# Altium PCB high-spped-thermocouple-logger-2ch.PcbDoc (part 2 of 3) (continued)
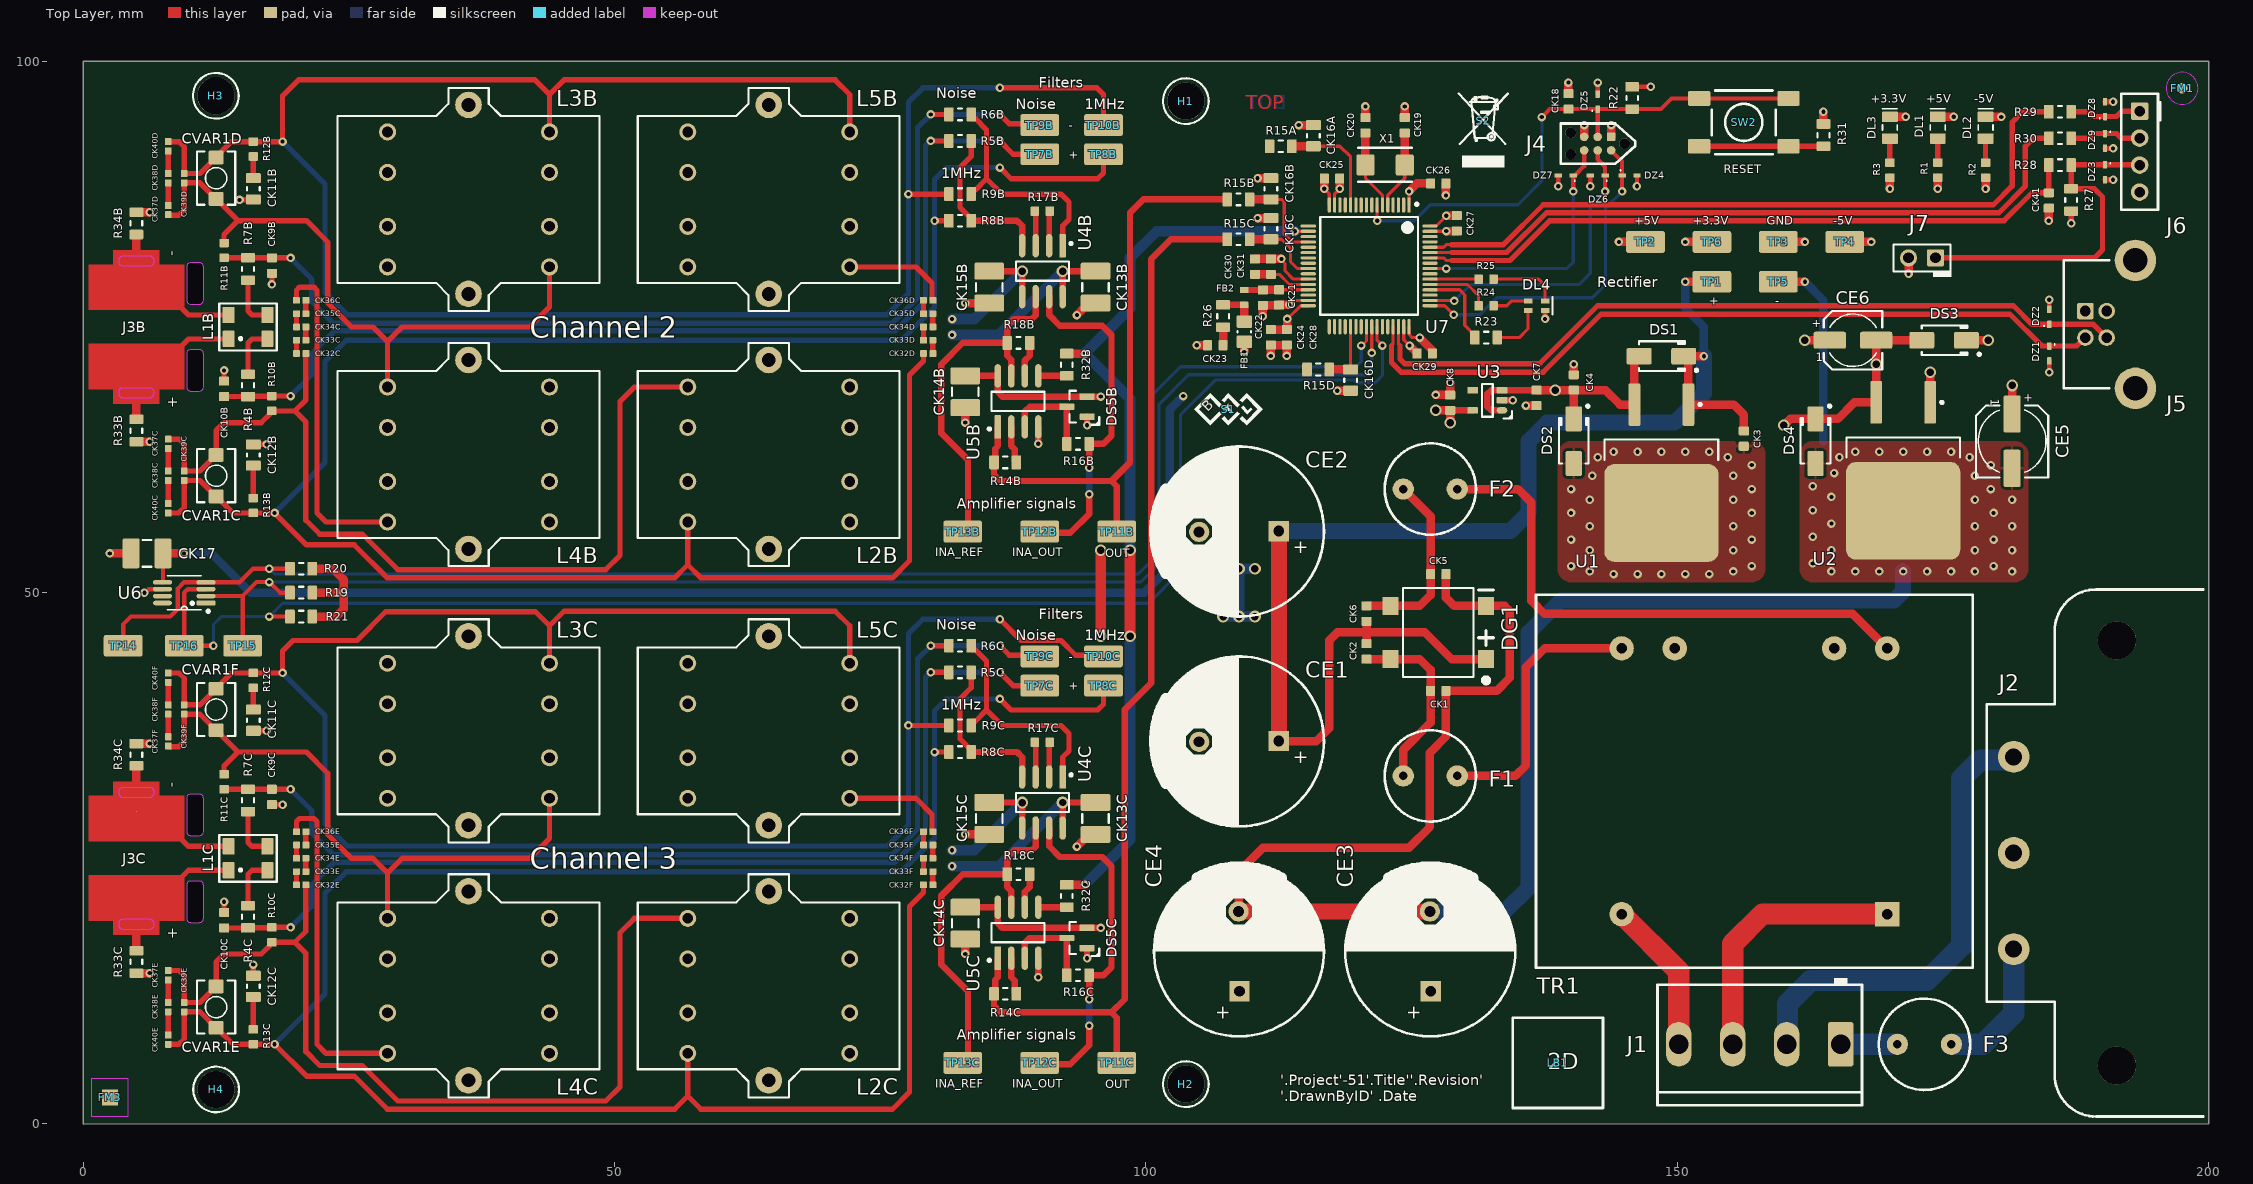
[diagram p0: Top Layer view]
## Nets (pads, with @x,y where several pads share a name; then routed paths per layer and width w, separated by ;. In a path a pad name is that pad's centre, name@x,y a point inside that pad or via, vN(x,y) a via of type N, cw(c..) or ccw(c..) an arc to the next point about the centre after c; other vN are vias at no path point) (continued)
  Top Layer w0.5: CK10C.2@13.25,19.9 v1(13.25,20.91) ; CK10B.2@13.25,69.9 v1(13.25,70.91) ; v1(14.7,86.95) 14.725,86.975 15.975,86.975 CK11B.1@16,87 ; CK12C.1@16,13.95 v1(16,15) ; CK11C.1@16,37 v1(17.25,37) ; CK12B.1@16,63.95 v1(17.25,63.95) ; CK9C.2@17.75,30.05 v1(18.75,30.05) ; v1(17.75,79) CK9B.2@17.75,80.05 ; DZ8.2@190.25,96.2 v1(191,96.2) ; DZ3.2@190.25,88.85 v1(191,88.85) ; DZ9.2@190.25,91.8 v1(191,91.8)
  Top Layer w0.6: v1(89.865,13.805) U5C.4@89.865,15.6 ; v1(89.865,64) U5B.4@89.865,65.6 ; v1(94.45,15.6) DS5C.1@94.45,16.55 ; v1(94.45,65.75) DS5B.1@94.45,66.55 ; U3.2@133.5,68.1 v1(134.5,68.1)
  Top Layer w0.8: v1(2.5,53.686) 2.506,53.692 CK17.2@4.5,53.692 ; v1(83,16) CK14C.2@83,17.4 ; v1(83,27.25) CK15C.2@85.25,27.25 ; v1(83,66) CK14B.2@83,67.4 ; v1(83,77.25) CK15B.2@85.25,77.25 ; v1(93.5,26.101) 93.501,26.101 94.65,27.25 CK13C.2@95.25,27.25 ; v1(93.5,76.125) 94.225,76.85 94.85,76.85 CK13B.2@95.25,77.25 ; v1(104.775,73.275) CK23.2@105.8,73.275 ; CK30.1@110.25,81.401 CK31.2@111.75,81.401 v1(112.75,81.401) ; v1(110.5,85.25) CK16C.2@111.75,85.25 ; v1(110.5,89) CK16B.2@111.75,89 ; v1(111,76) CK22.2@111,77.025 112.45,77.025 112.475,77.05 CK21.1@112.525,77.05 112.55,77.075 v1(113.5,77.075) ; v1(111.75,72.275) CK24.1@111.75,73.3 CK28.1@113.25,73.3 v1(113.25,72.275) ; v1(114.375,94) CK16A.2@115.75,94 ; v1(118,69) CK16D.2@119.25,69 ; v1(118.225,88) CK25.1@118.225,88.976 ; CK20.2@120.65,94.7 v1(120.65,95.75) ; CK19.2@124.35,94.7 v1(124.35,95.75) ; v1(124.8,73.25) 125.5,72.55 CK29.1@125.5,72.5 ; v1(127.275,68.6) CK8.2@128.625,68.6 v1(128.625,69.75) ; v1(128.225,87.376) CK26.1@128.225,88.5 ; v1(128.25,84.025) CK27.1@129.25,84.025 ; v1(135.75,67.6) CK7.2@136.75,67.6 ; CK18.1@139.75,96.95 v1(139.75,98) ; CK4.2@140.25,70.5 v1(140.25,71.5) ; J4.5@141.23,92.885 v1(141.23,94) ; TP3.1@159.5,83 v1(162,83) ; v2(162,73.75) CE6.1@164.341,73.75 ; R31.2@163.75,94.1 v1(163.75,95.25) ; DL3.1@170,94.775 v1(171.5,94.775) ; v1(171.75,80) J7.2@171.75,81.5 ; U2.1@173.79,67.9 v2(173.79,70.75) ; DL1.1@174.5,94.775 v1(176,94.775) ; DS3.1@177.2,73.75 v2(179.25,73.75) ; v1(179,88) R2.2@179,89.054 ; CE5.1@181.5,66.8 v2(181.5,69.5) ; v1(184.95,85) CK41.2@184.95,86.175
  other v1: 144,51.75 146.25,51.75 148.5,51.75 150.75,51.75 153,51.75 141.75,52 155.25,52 140,52.5 157,52.5 141.75,54 155.25,54 140,55 157,55 141.75,56.25 155.25,56.25 140,57.5 157,57.5 141.75,58.75 155.25,58.75 140,59.75 157,59.75 142,61 155.25,61 157,62 142.5,62.75 154.75,62.75 144,63.25 146.25,63.25 148.5,63.25 150.75,63.25 153,63.25
INAMP_OFFSET: R32B.2 R32C.2 U7.18 | length 85.5
  Top Layer w0.3: v1(114,84) U7.18@115.275,84
  Top Layer w0.8: R32C.2@92.55,22.5 v1(94.25,22.5) ; R32B.2@92.55,72.5 v1(94.25,72.5)
  Top Layer w1: v2(98.5,45.9) v2(98.5,53.975)
  Bottom Layer w1: v1(94.25,22.5) 98.5,26.75 v2(98.5,45.9) ; v2(98.5,53.975) 98.5,68.25 v1(94.25,72.5) 98.5,76.75 98.5,81.5 101,84 v1(114,84)
INAMP_OUTA: 
INAMP_OUTB: R16B.2 TP12B.1 U4B.7 | length 32.3
  Top Layer w0.6: TP12B.1@90,55.75 90.126,55.624 92.874,55.624 94.65,57.4 v1(94.65,59.25) ; U4B.7@90.885,77.85 90.885,76.125 91.885,75.125 95.875,75.125 96.75,74.25 96.75,64.75 96,64 R16B.2@94.65,64 v1(94.65,61.75)
  Bottom Layer w0.6: v1(94.65,59.25) v1(94.65,61.75)
INAMP_OUTC: R16C.2 TP12C.1 U4C.7 | length 32.3
  Top Layer w0.6: TP12C.1@90,5.75 90.126,5.624 92.874,5.624 94.65,7.4 v1(94.65,9.25) ; U4C.7@90.885,27.85 90.885,26.125 91.885,25.125 95.875,25.125 96.75,24.25 96.75,14.75 96,14 R16C.2@94.65,14 v1(94.65,11.75)
  Bottom Layer w0.6: v1(94.65,9.25) v1(94.65,11.75)
INAMP_OUTD: 
INAMP_REFA: 
INAMP_REFB: R18B.1 TP13B.1 U4B.6 U5B.7 | length 34
  Top Layer w0.6: TP13B.1@82.75,55.75 83.25,55.75 83.25,62.5 80.75,65 80.75,71.5 82.75,73.5 R18B.1@86.95,73.5 ; U5B.7@87.325,70.4 87.325,71.925 86.95,72.3 R18B.1@86.95,73.5 ; U4B.6@89.615,77.85 89.615,76.101 89.264,75.75 87.575,75.75 86.95,75.125 R18B.1@86.95,73.5
INAMP_REFC: R18C.1 TP13C.1 U4C.6 U5C.7 | length 34
  Top Layer w0.6: TP13C.1@82.75,5.75 83.25,5.75 83.25,12.5 80.75,15 80.75,21.5 82.75,23.5 R18C.1@86.95,23.5 ; U5C.7@87.325,20.4 87.325,21.925 86.95,22.3 R18C.1@86.95,23.5 ; U4C.6@89.615,27.85 89.615,26.101 89.264,25.75 87.575,25.75 86.95,25.125 R18C.1@86.95,23.5
INAMP_REFD: 
IND_LED_B: R25.1 U7.54 | length 4.6
  Top Layer w0.3: U7.54@126.725,79.5 R25.1@131.3,79.5
IND_LED_G: R24.1 U7.53 | length 6
  Top Layer w0.3: U7.53@126.725,79 130.25,79 131.3,77.95 R24.1@131.3,77
IND_LED_R: R23.2 U7.52 | length 7.9
  Top Layer w0.3: U7.52@126.725,78.5 129.506,78.5 130,78.006 130,75.15 130.95,74.2 R23.2@130.95,74
NetCK11A_2: 
NetCK11B_2: CK11B.2 R12B.1 | length 2
  Top Layer w0.5: CK11B.2@16,89 R12B.1@16,91.04
NetCK11C_2: CK11C.2 R12C.1 | length 2
  Top Layer w0.5: CK11C.2@16,39 R12C.1@16,41.04
NetCK11D_2: 
NetCK12A_2: 
NetCK12B_2: CK12B.2 R13B.1 | length 3
  Top Layer w0.5: R13B.1@16,58.9 CK12B.2@16,61.95
NetCK12C_2: CK12C.2 R13C.1 | length 3
  Top Layer w0.5: R13C.1@16,8.9 CK12C.2@16,11.95
NetCK12D_2: 
NetCK23_1: CK23.1 R26.1 | length 1.7
  Top Layer w0.8: CK23.1@107.25,73.275 R26.1@107.25,74.975
NetCK30_2: CK30.2 CK31.1 U7.28 | length 5.4
  Top Layer w0.3: CK31.1@111.75,79.951 112.549,79.951 113.5,79 U7.28@115.275,79
  Top Layer w0.8: CK30.2@110.25,79.951 CK31.1@111.75,79.951
NetCK32A_1: 
NetCK32A_2: 
NetCK32B_2: 
NetCK32C_1: CK32C.1 CK37C.1 CK39C.1 CVAR1C.1 L2B.1 R10B.2 | length 88.4
  Top Layer w0.5: CK37C.1@8,64.44 9.01,64.44 9.5,63.95 CK39C.1@9.5,61.44 10.99,61.44 CVAR1C.1@12.5,62.95 12.5,65.25 13.25,66 16.75,66 17.75,67 R10B.2@17.75,67.1 19.9,67.1 ; CK32C.1@20.94,72.5 20.94,68.14 19.9,67.1 ; L2B.1@56.88,69.35 51.85,69.35 50.5,68 50.5,53.5 49.162,52.162 29.588,52.162 26.25,55.5 22.25,55.5 20.94,56.81 20.94,66.06 20,67 19.9,67.1
NetCK32C_2: CK32C.2 CK33C.1 | length 1.3
  Top Layer w0.5: CK32C.2@20.06,72.5 CK33C.1@20.06,73.75
NetCK32D_2: CK32D.2 CK33D.1 | length 1.3
  Top Layer w0.5: CK32D.2@79.94,72.5 CK33D.1@79.94,73.75
NetCK32E_1: CK32E.1 CK37E.1 CK39E.1 CVAR1E.1 L2C.1 R10C.2 | length 88.4
  Top Layer w0.5: CK37E.1@8,14.44 9.01,14.44 9.5,13.95 CK39E.1@9.5,11.44 10.99,11.44 CVAR1E.1@12.5,12.95 12.5,15.25 13.25,16 16.75,16 17.75,17 R10C.2@17.75,17.1 19.9,17.1 ; CK32E.1@20.94,22.5 20.94,18.14 19.9,17.1 ; L2C.1@56.88,19.35 51.85,19.35 50.5,18 50.5,3.5 49.162,2.162 29.588,2.162 26.25,5.5 22.25,5.5 20.94,6.81 20.94,16.06 20,17 19.9,17.1
NetCK32E_2: CK32E.2 CK33E.1 | length 1.3
  Top Layer w0.5: CK32E.2@20.06,22.5 CK33E.1@20.06,23.75
NetCK32F_2: CK32F.2 CK33F.1 | length 1.3
  Top Layer w0.5: CK32F.2@79.94,22.5 CK33F.1@79.94,23.75
NetCK32G_1: 
NetCK32G_2: 
NetCK32H_2: 
NetCK33A_2: 
NetCK33B_2: 
NetCK33C_2: CK33C.2 CK34C.1 | length 1.3
  Top Layer w0.5: CK33C.2@20.94,73.75 CK34C.1@20.94,75
NetCK33D_2: CK33D.2 CK34D.1 | length 1.3
  Top Layer w0.5: CK33D.2@79.06,73.75 CK34D.1@79.06,75
NetCK33E_2: CK33E.2 CK34E.1 | length 1.3
  Top Layer w0.5: CK33E.2@20.94,23.75 CK34E.1@20.94,25
NetCK33F_2: CK33F.2 CK34F.1 | length 1.3
  Top Layer w0.5: CK33F.2@79.06,23.75 CK34F.1@79.06,25
NetCK33G_2: 
NetCK33H_2: 
NetCK34A_2: 
NetCK34B_2: 
NetCK34C_2: CK34C.2 CK35C.1 | length 1.3
  Top Layer w0.5: CK34C.2@20.06,75 CK35C.1@20.06,76.25
NetCK34D_2: CK34D.2 CK35D.1 | length 1.2
  Top Layer w0.5: CK34D.2@79.94,75 CK35D.1@79.94,76.25
NetCK34E_2: CK34E.2 CK35E.1 | length 1.3
  Top Layer w0.5: CK34E.2@20.06,25 CK35E.1@20.06,26.25
NetCK34F_2: CK34F.2 CK35F.1 | length 1.2
  Top Layer w0.5: CK34F.2@79.94,25 CK35F.1@79.94,26.25
NetCK34G_2: 
NetCK34H_2: 
NetCK35A_2: 
NetCK35B_2: 
NetCK35C_2: CK35C.2 CK36C.1 | length 1.3
  Top Layer w0.5: CK35C.2@20.94,76.25 CK36C.1@20.94,77.5
NetCK35D_2: CK35D.2 CK36D.1 | length 1.3
  Top Layer w0.5: CK35D.2@79.06,76.25 CK36D.1@79.06,77.5
NetCK35E_2: CK35E.2 CK36E.1 | length 1.3
  Top Layer w0.5: CK35E.2@20.94,26.25 CK36E.1@20.94,27.5
NetCK35F_2: CK35F.2 CK36F.1 | length 1.3
  Top Layer w0.5: CK35F.2@79.06,26.25 CK36F.1@79.06,27.5
NetCK35G_2: 
NetCK35H_2: 
NetCK36A_2: 
NetCK36B_2: 
NetCK36C_2: CK36C.2 L4B.2 | length 31.1
  Top Layer w0.5: CK36C.2@20.06,77.5 20.06,78.457 20.353,78.75 21.707,78.75 22,78.457 22,57.5 22.85,56.65 L4B.2@28.63,56.65
NetCK36D_2: CK36D.2 L5B.1 | length 10.1
  Top Layer w0.5: L5B.1@72.12,80.65 78.35,80.65 79.86,79.14 79.86,77.56 79.92,77.5 CK36D.2@79.94,77.5
NetCK36E_2: CK36E.2 L4C.2 | length 31.1
  Top Layer w0.5: CK36E.2@20.06,27.5 20.06,28.457 20.353,28.75 21.707,28.75 22,28.457 22,7.5 22.85,6.65 L4C.2@28.63,6.65
NetCK36F_2: CK36F.2 L5C.1 | length 10.1
  Top Layer w0.5: L5C.1@72.12,30.65 78.35,30.65 79.86,29.14 79.86,27.56 79.92,27.5 CK36F.2@79.94,27.5
NetCK36G_2: 
NetCK36H_2: 
NetCK37A_2: 
NetCK37B_1: 
NetCK37B_2: 
NetCK37C_2: CK37C.2 CK38C.1 | length 2.1
  Top Layer w0.5: CK38C.1@8,61.44 CK37C.2@8,63.56
NetCK37D_1: CK37D.1 CK39D.1 CVAR1D.1 L3B.1 L4B.1 R11B.2 | length 60.2
  Top Layer w0.5: CK37D.1@8,85.5 8.975,85.5 9.5,86.025 CK39D.1@9.5,88.56 10.99,88.56 CVAR1D.1@12.5,87.05 12.55,87.05 12.95,86.65 12.95,86.6 14.55,85 ; R11B.2@13.25,82.9 13.25,83.7 14.55,85 ; L4B.1@28.63,69.35 28.63,73.63 ; L3B.1@43.87,80.65 43.87,76.87 42,75 30,75 28.63,73.63 ; 14.55,85 21,85 23,83 23,77.25 25.25,75 27.26,75 28.63,73.63
NetCK37D_2: CK37D.2 CK38D.1 | length 2.2
  Top Layer w0.5: CK37D.2@8,86.38 CK38D.1@8,88.56
NetCK37E_2: CK37E.2 CK38E.1 | length 2.1
  Top Layer w0.5: CK38E.1@8,11.44 CK37E.2@8,13.56
NetCK37F_1: CK37F.1 CK39F.1 CVAR1F.1 L3C.1 L4C.1 R11C.2 | length 60.2
  Top Layer w0.5: CK37F.1@8,35.5 8.975,35.5 9.5,36.025 CK39F.1@9.5,38.56 10.99,38.56 CVAR1F.1@12.5,37.05 12.55,37.05 12.95,36.65 12.95,36.6 14.55,35 ; R11C.2@13.25,32.9 13.25,33.7 14.55,35 ; L4C.1@28.63,19.35 28.63,23.63 ; L3C.1@43.87,30.65 43.87,26.87 42,25 30,25 28.63,23.63 ; 14.55,35 21,35 23,33 23,27.25 25.25,25 27.26,25 28.63,23.63
NetCK37F_2: CK37F.2 CK38F.1 | length 2.2
  Top Layer w0.5: CK37F.2@8,36.38 CK38F.1@8,38.56
NetCK37G_2: 
NetCK37H_1: 
NetCK37H_2: 
NetCK38A_2: 
NetCK38B_2: 
NetCK38C_2: CK38C.2 CK40C.1 | length 2.2
  Top Layer w0.5: CK40C.1@8,58.38 CK38C.2@8,60.56
NetCK38D_2: CK38D.2 CK40D.1 | length 2.1
  Top Layer w0.5: CK38D.2@8,89.44 CK40D.1@8,91.56
NetCK38E_2: CK38E.2 CK40E.1 | length 2.2
  Top Layer w0.5: CK40E.1@8,8.38 CK38E.2@8,10.56
NetCK38F_2: CK38F.2 CK40F.1 | length 2.1
  Top Layer w0.5: CK38F.2@8,39.44 CK40F.1@8,41.56
NetCK38G_2: 
NetCK38H_2: 
NetCK41_1: CK41.1 R28.1 U7.58 | length 63.6
  Top Layer w0.3: U7.58@126.725,81.5 128,81.5 128.25,81.25 128.75,81.25
  Top Layer w0.5: 128.75,81.25 134.25,81.25 138,85 180.75,85 183.375,87.625 CK41.1@184.95,87.625 R28.1@184.95,90.23
NetDL1_2: DL1.2 R1.1 | length 2.3
  Top Layer w0.5: R1.1@174.5,90.454 DL1.2@174.5,92.725
NetDL2_2: DL2.2 R2.1 | length 2.3
  Top Layer w0.5: R2.1@179,90.454 DL2.2@179,92.725
NetDL3_2: DL3.2 R3.1 | length 2.3
  Top Layer w0.5: R3.1@170,90.45 DL3.2@170,92.725
NetDL4_1: DL4.1 R23.1 | length 5
  Top Layer w0.3: R23.1@133.05,74 135.125,74 135.95,74.825 DL4.1@135.95,76.55
NetDL4_2: DL4.2 R24.2 | length 3.4
  Top Layer w0.3: R24.2@132.7,77 133.95,77 134.4,77.45 DL4.2@135.95,77.45
NetDL4_3: DL4.3 R25.2 | length 6.5
  Top Layer w0.3: R25.2@132.7,79.5 136.939,79.5 137.55,78.889 DL4.3@137.55,77.45
NetDS5A_3: 
NetDS5B_3: DS5B.3 R16B.1 U5B.3 | length 9.1
  Top Layer w0.6: U5B.3@88.595,65.6 88.595,67.045 89.05,67.5 DS5B.3@92.55,67.5 R16B.1@92.55,64
NetDS5C_3: DS5C.3 R16C.1 U5C.3 | length 9.1
  Top Layer w0.6: U5C.3@88.595,15.6 88.595,17.045 89.05,17.5 DS5C.3@92.55,17.5 R16C.1@92.55,14
NetDS5D_3: 
NetDZ3_1: DZ3.1 J6.3 J7.1 R27.1 R28.2 | length 32.9
  Top Layer w0.5: J7.1@174.29,81.5 189.25,81.5 190,82.25 190,87.25 189.25,88 R27.1@187.05,88 R28.2@187.05,90.23 ; R28.2@187.07,90.25 DZ3.1@190.25,90.25 J6.3@193.48,90.25
NetDZ8_1: DZ8.1 J6.1 R29.2 | length 6.8
  Top Layer w0.5: R29.2@187.05,95.25 188.75,95.25 189.2,94.8 191.32,94.8 191.83,95.31 J6.1@193.5,95.31
NetDZ9_1: DZ9.1 J6.2 R30.2 | length 6.8
  Top Layer w0.5: R30.2@187.05,92.75 188.73,92.75 189.18,93.2 191.32,93.2 191.75,92.77 J6.2@193.5,92.77
NetF1_1: F1.1 TR1.6 | length 25.8
  Top Layer w0.8: F1.1@129.29,32.75 134.75,32.75 135.75,33.75 135.75,43 137.5,44.75 TR1.6@144.75,44.75
NetF2_1: F2.1 TR1.10 | length 52.1
  Top Layer w0.8: F2.1@129.29,59.75 135,59.75 136.25,58.5 136.25,49.25 137.5,48 166.5,48 TR1.10@169.75,44.75
NetF3_1: F3.1 J2.1 | length 13.1
  Bottom Layer w2: F3.1@175.79,7.5 178.75,7.5 181.65,10.4 J2.1@181.65,16.45
NetF3_2: F3.2 J1.1 | length 5.3
  Bottom Layer w2: J1.1@165.37,7.5 F3.2@170.71,7.5
NetFB1_2: FB1.2 FB2.1 R26.2 | length 3.5
  Top Layer w0.6: R26.2@107.25,77.075 FB2.1@109.25,77.075
  Top Layer w0.8: FB1.2@109.25,75.5 FB2.1@109.25,76.963
NetJ1_2: J1.2 J2.3 | length 44
  Bottom Layer w2: J1.2@160.29,7.5 160.367,7.577 160.367,11.323 162.544,13.5 173.5,13.5 176.75,16.75 176.75,32.5 178.5,34.25 181.35,34.25 J2.3@181.65,34.55
NetJ1_3: J1.3 TR1.1 | length 25.2
  Top Layer w2: J1.3@155.21,7.5 155.21,16.96 158,19.75 TR1.1@169.75,19.75
NetJ1_4: J1.4 TR1.5 | length 14.5
  Top Layer w2: TR1.5@144.75,19.75 150.13,14.37 J1.4@150.13,7.5
NetL1A_2: 
NetL1A_3: 
NetL1B_2: L1B.2 R4B.2 | length 4.9
  Top Layer w0.5: R4B.2@15.5,70.55 15.5,73.5 15.875,73.875 L1B.2@17.325,73.875
NetL1B_3: L1B.3 R7B.1 | length 4.9
  Top Layer w0.5: R7B.1@15.5,79.4 15.5,76.5 15.875,76.125 L1B.3@17.325,76.125
NetL1C_2: L1C.2 R4C.2 | length 4.9
  Top Layer w0.5: R4C.2@15.5,20.55 15.5,23.5 15.875,23.875 L1C.2@17.325,23.875
NetL1C_3: L1C.3 R7C.1 | length 4.9
  Top Layer w0.5: R7C.1@15.5,29.4 15.5,26.5 15.875,26.125 L1C.3@17.325,26.125
NetL1D_2: 
NetL1D_3: 
NetR14A_2: 
NetR14B_2: R14B.2 U5B.2 | length 3.5
  Top Layer w0.6: U5B.2@87.325,65.6 87.325,63.805 87.65,63.48 87.65,62.4 R14B.2@87.8,62.25
NetR14C_2: R14C.2 U5C.2 | length 3.5
  Top Layer w0.6: U5C.2@87.325,15.6 87.325,13.805 87.65,13.48 87.65,12.4 R14C.2@87.8,12.25
NetR14D_2: 
NetR17A_1: 
NetR17A_2: 
NetR17B_1: R17B.1 U4B.3 | length 3.1
  Top Layer w0.5: U4B.3@89.615,82.65 R17B.1@89.615,85.784
NetR17B_2: R17B.2 U4B.2 | length 3.1
  Top Layer w0.5: U4B.2@90.885,82.65 R17B.2@90.885,85.705
NetR17C_1: R17C.1 U4C.3 | length 3.2
  Top Layer w0.5: U4C.3@89.615,32.65 R17C.1@89.615,35.888
NetR17C_2: R17C.2 U4C.2 | length 3.3
  Top Layer w0.5: U4C.2@90.885,32.65 R17C.2@90.885,35.924
NetR17D_1: 
NetR17D_2: 
NetR18A_2: 
NetR18B_2: R18B.2 U5B.6 | length 3.3
  Top Layer w0.6: U5B.6@88.595,70.4 88.595,71.845 89.05,72.3 R18B.2@89.05,73.5
NetR18C_2: R18C.2 U5C.6 | length 3.3
  Top Layer w0.6: U5C.6@88.595,20.4 88.595,21.845 89.05,22.3 R18C.2@89.05,23.5
NetR18D_2: 
NetR29_1: R29.1 U7.60 | length 67
  Top Layer w0.3: U7.60@126.725,82.5 128,82.5 128.25,82.75 128.75,82.75
  Top Layer w0.5: 128.75,82.75 133.629,82.75 137.379,86.5 179.75,86.5 181.5,88.25 181.5,94.25 182.5,95.25 R29.1@184.95,95.25
NetR30_1: R30.1 U7.59 | length 64.9
  Top Layer w0.3: U7.59@126.725,82 128.75,82
  Top Layer w0.5: 128.75,82 133.939,82 137.689,85.75 180.25,85.75 182.75,88.25 182.75,92 183.5,92.75 R30.1@184.95,92.75
NetR31_1: R31.1 SW2.3 | length 11.7
  Top Layer w0.5: SW2.3@152.05,92 R31.1@163.75,92
NetR32A_1: 
NetR32B_1: R32B.1 U5B.5 | length 2.7
  Top Layer w0.6: U5B.5@89.865,70.4 R32B.1@92.55,70.4
NetR32C_1: R32C.1 U5C.5 | length 2.7
  Top Layer w0.6: U5C.5@89.865,20.4 R32C.1@92.55,20.4
NetR32D_1: 
NOISE_FILT_OUT+A: 
NOISE_FILT_OUT+B: CK10B.1 R4B.1 R5B.1 R10B.1 TP7B.1 | length 98.6
  Top Layer w0.5: CK10B.1@13.25,68.45 R4B.1@15.5,68.45 15.525,68.475 17.725,68.475 R10B.1@17.75,68.5 v1(19.5,68.5) ; v1(79.75,92.5) R5B.1@81.45,92.5 ; v1(86.25,92.5) 87.5,91.25 TP7B.1@90,91.25
  Bottom Layer w0.5: v1(19.5,68.5) 21.5,70.5 21.5,72.5 23.636,74.636 76.386,74.636 79.25,77.5 79.25,92.057 79.693,92.5 v1(86.25,92.5)
NOISE_FILT_OUT+C: CK10C.1 R4C.1 R5C.1 R10C.1 TP7C.1 | length 98.6
  Top Layer w0.5: CK10C.1@13.25,18.45 R4C.1@15.5,18.45 15.525,18.475 17.725,18.475 R10C.1@17.75,18.5 v1(19.5,18.5) ; v1(79.75,42.5) R5C.1@81.45,42.5 ; v1(86.25,42.5) 87.5,41.25 TP7C.1@90,41.25
  Bottom Layer w0.5: v1(19.5,18.5) 21.5,20.5 21.5,22.5 23.636,24.636 76.386,24.636 79.25,27.5 79.25,42.057 79.693,42.5 v1(86.25,42.5)
NOISE_FILT_OUT+D: 
NOISE_FILT_OUT-A: 
NOISE_FILT_OUT-B: CK9B.1 R6B.1 R7B.2 R11B.1 TP9B.1 | length 100.1
  Top Layer w0.5: R11B.1@13.25,81.5 CK9B.1@17.75,81.5 v1(19.5,81.5) ; v1(79.75,95) R6B.1@81.45,95 ; v1(86.25,95) 87.142,94.108 TP9B.1@90,94.108
  Bottom Layer w0.5: v1(19.5,81.5) 21.5,79.5 21.5,77.37 23.534,75.336 76.096,75.336 78.5,77.74 78.5,93.75 v1(79.75,95) v1(86.25,95)
NOISE_FILT_OUT-C: CK9C.1 R6C.1 R7C.2 R11C.1 TP9C.1 | length 100.1
  Top Layer w0.5: R11C.1@13.25,31.5 CK9C.1@17.75,31.5 v1(19.5,31.5) ; v1(79.75,45) R6C.1@81.45,45 ; v1(86.25,45) 87.142,44.108 TP9C.1@90,44.108
  Bottom Layer w0.5: v1(19.5,31.5) 21.5,29.5 21.5,27.37 23.534,25.336 76.096,25.336 78.5,27.74 78.5,43.75 v1(79.75,45) v1(86.25,45)
NOISE_FILT_OUT-D: 
NRST: CK18.2 DZ5.1 J4.3 R22.1 SW2.1 U7.7 | length 51.1
  Top Layer w0.3: v1(121.75,85) U7.7@121.75,86.475
  Top Layer w0.4: v1(137.25,94.75) 138,95.5 CK18.2@139.75,95.5 DZ5.1@142.5,95.5 ; J4.3@142.5,92.885 142.5,95.15 DZ5.1@142.5,95.5 ; SW2.1@160.45,96.5 SW2.1@152.05,96.5 149.45,96.5 148.45,95.5 R22.1@145.75,95.5 DZ5.1@142.5,95.5
  Bottom Layer w0.3: v1(121.75,85) 125.25,85 126.75,86.5 135,86.5 137.25,88.75 v1(137.25,94.75)
PWR_SEC+: CK1.2 CK2.1 DG1.4 F1.2 | length 17.5
  Top Layer w0.8: CK2.1@120.75,43.75 DG1.4@123,43.75 125.75,43.75 126.775,42.725 CK1.2@126.775,40.75 126.775,37.775 124.21,35.21 F1.2@124.21,32.75
PWR_SEC-: CK5.2 CK6.1 DG1.3 F2.2 | length 17.5
  Top Layer w0.8: CK6.1@120.75,48.75 122.25,48.75 DG1.3@123,48.75 125.75,48.75 126.775,49.775 CK5.2@126.775,51.75 126.775,57.185 F2.2@124.21,59.75
RECT+: CE1.1 CE2.1 CK2.2 CK3.1 CK6.2 DG1.1 DS1.1 TP1.1 U1.1 | length 128.2
  Top Layer w0.8: CE1.1@112.5,36.038 116.038,36.038 117.25,37.25 117.25,45.5 118,46.25 120.75,46.25 ; CK2.2@120.75,45.2 120.75,46.25 ; CK6.2@120.75,47.3 120.75,46.25 ; DG1.1@132,43.75 128.75,43.75 126.25,46.25 120.75,46.25 ; DS1.1@150.6,72.25 DS1.1@150.665,72.25 ; v1(150.75,79.25) TP1.1@153.25,79.25 ; v1(152.5,72.25) DS1.1@150.665,72.25 ; CK3.1@156.25,65.225 156.25,66.75 155.3,67.7 U1.1@151.04,67.7 151.04,71.875 DS1.1@150.665,72.25
  Top Layer w1.5: CE1.1@112.5,36.038 CE2.1@112.5,55.788
  Bottom Layer w0.8: v1(150.75,79.25) 150.75,76.75 152.5,75 v1(152.5,72.25)
  Bottom Layer w1.5: CE2.1@112.5,55.788 134.288,55.788 136,57.5 136,64.25 137.75,66 149.75,66 152.5,68.75 v1(152.5,72.25)
RECT-: CE3.2 CE4.2 CE5.2 CK1.1 CK5.1 DG1.2 DS4.2 TP5.1 U2.2 | length 167.6
  Top Layer w0.8: CE4.2@108.712,20 108.712,23.712 111,26 124.75,26 126.712,27.962 126.712,34.937 128.225,36.45 CK1.1@128.225,40.75 133,40.75 134.25,42 134.25,48.25 133.75,48.75 DG1.2@132,48.75 129,48.75 128.225,49.525 CK5.1@128.225,51.75 ; TP5.1@159.5,79.25 v1(162,79.25)
  Top Layer w1.5: CE4.2@108.712,20 CE3.2@126.712,20
  Bottom Layer w0.8: v1(162,79.25) 163.75,77.5 163.75,64.25
  Bottom Layer w1.5: CE3.2@126.712,20 133.75,20 136,22.25 136,46.25 139,49.25 170.371,49.25 171.25,50.129 v1(171.25,52)
  other v1: 164.5,52 166.75,52 169,52 173.5,52 175.75,52 178,52 181.5,52 179.75,52.5 162.75,52.75 164.5,54 178,54 181.5,54 179.75,55 162.75,55.25 178,56.25 181.5,56.25 164.5,56.5 179.75,57.5 162.75,57.75 178,58.75 181.5,58.75 164.5,59 179.5,59.75 162.75,60 178,61 164.75,61.25 179.5,62 165.25,62.75 177.5,62.75 166.75,63.25 169,63.25 171.25,63.25 173.5,63.25 175.75,63.25
SWCLK: DZ6.1 J4.4 U7.50 | length 29.4
  Top Layer w0.3: U7.50@126.725,77.5 128.95,77.5 v1(129,77.45)
  Top Layer w0.4: J4.4@142.5,91.615 142.5,90.775 143.2,90.075 ; v1(143.2,87.75) 143.2,90.075 ; DZ6.1@143.2,89.25 143.2,90.075
  Bottom Layer w0.3: v1(129,77.45) 130.55,79 140.75,79 141.8,80.05 141.8,86.35 v1(143.2,87.75)
SWDIO: DZ4.1 J4.2 U7.49 | length 31.7
  Top Layer w0.3: U7.49@126.725,77 128.1,77 v1(128.95,76.15)
  Top Layer w0.4: J4.2@143.77,91.615 144.8,90.585 v1(144.8,87.75)
  Bottom Layer w0.3: v1(128.95,76.15) 131.4,76.15 133,77.75 142,77.75 143.25,79 143.25,86.2 v1(144.8,87.75)
SWO: DZ7.1 J4.6 U7.56 | length 24.8
  Top Layer w0.3: U7.56@126.725,80.5 v1(128.25,80.5)
  Top Layer w0.4: v1(140.2,87.75) DZ7.1@140.2,89.25 140.35,89.25 141.23,90.13 J4.6@141.23,91.615
  Bottom Layer w0.3: v1(128.25,80.5) 139.6,80.5 140.2,81.1 v1(140.2,87.75)
TC+A: 
TC+B: J3B.1 L1B.1 R33B.1 | length 11.5
  Top Layer w0.5: J3B.1@5,70.595 6.635,70.595 9.915,73.875 L1B.1@13.675,73.875
  Top Layer w0.8: R33B.1@5,66.3 5,67.8
TC+C: J3C.1 L1C.1 R33C.1 | length 11.5
  Top Layer w0.5: J3C.1@5,20.595 6.635,20.595 9.915,23.875 L1C.1@13.675,23.875
  Top Layer w0.8: R33C.1@5,16.3 5,17.8
TC+D: 
TC-A: 
TC-B: J3B.2 L1B.4 R34B.2 | length 11.5
  Top Layer w0.5: J3B.2@5,79.405 6.635,79.405 9.915,76.125 L1B.4@13.675,76.125
  Top Layer w0.8: 5,82.2 R34B.2@5,83.7
TC-C: J3C.2 L1C.4 R34C.2 | length 11.5
  Top Layer w0.5: J3C.2@5,29.405 6.635,29.405 9.915,26.125 L1C.4@13.675,26.125
  Top Layer w0.8: 5,32.2 R34C.2@5,33.7
TC-D: 
TC_SIG+1: 
TC_SIG+2: R5B.2 R8B.2 U4B.4 | length 15
  Top Layer w0.5: R8B.2@83.55,85.2 82.5,86.25 82.5,90 83.55,91.05 R5B.2@83.55,92.5
  Top Layer w0.6: R8B.2@83.55,85 87.855,85 88.345,84.51 U4B.4@88.345,82.65
TC_SIG+3: R5C.2 R8C.2 U4C.4 | length 15
  Top Layer w0.5: R8C.2@83.55,35.2 82.5,36.25 82.5,40 83.55,41.05 R5C.2@83.55,42.5
  Top Layer w0.6: R8C.2@83.55,35 87.855,35 88.345,34.51 U4C.4@88.345,32.65
TC_SIG+4: 
TC_SIG-1: 
TC_SIG-2: R6B.2 R9B.2 U4B.1 | length 22.1
  Top Layer w0.5: R6B.2@83.55,95 83.55,94.8 83.75,94.6 83.95,94.6 85,93.55 85,88.95 ; R9B.2@83.75,87.5 R9B.2@83.55,87.5 83.55,87.7 83.75,87.9 83.95,87.9 85,88.95 ; U4B.1@92.155,82.65 92.155,84.51 92.75,85.105 92.75,86.75 92,87.5 87,87.5 86.45,87.5 85,88.95
TC_SIG-3: R6C.2 R9C.2 U4C.1 | length 22.1
  Top Layer w0.5: R6C.2@83.55,45 83.55,44.8 83.75,44.6 83.95,44.6 85,43.55 85,38.95 ; R9C.2@83.75,37.5 R9C.2@83.55,37.5 83.55,37.7 83.75,37.9 83.95,37.9 85,38.95 ; U4C.1@92.155,32.65 92.155,34.51 92.75,35.105 92.75,36.75 92,37.5 87,37.5 86.45,37.5 85,38.95
TC_SIG-4: 
TEMP_ALERT: R21.1 TP16.1 U6.3 U7.42 | length 147.2
  Top Layer w0.3: U7.42@121.75,75.025 121.75,73.75 v1(122.25,73.25)
  Top Layer w0.4: U6.3@11.545,50.325 9.825,50.325 9.5,50 TP16.1@9.5,45 v1(12.25,45) ; v1(17.5,47.75) R21.1@19.45,47.75 ; R21.1@19.7,48.2 R21.1@19.706,48.2
  Bottom Layer w0.3: v1(12.25,45) 12.25,47 13,47.75 v1(17.5,47.75) 18.75,49 100.25,49 103.25,52 103.25,66.75 106.5,70 117.939,70 119.625,70 119.875,69.75 121.561,69.75 122.25,70.439 v1(122.25,73.25)
TEMP_SCL: R20.1 TP14.1 U6.4 U7.40 | length 144.9
  Top Layer w0.3: v1(120.25,73.25) 120.324,73.25 120.75,73.676 U7.40@120.75,75.025
  Top Layer w0.4: TP14.1@3.75,45 3.75,47 4.5,47.75 8.186,47.75 8.9,48.464 8.9,50.4 9.475,50.975 U6.4@11.545,50.975 14.7,50.975 15.975,52.25 v1(17.5,52.25) R20.1@19.45,52.25
  Bottom Layer w0.3: v1(17.5,52.25) 18,51.75 99.273,51.75 100.5,52.977 100.5,68.5 103.25,71.25 119.75,71.25 120.25,71.75 v1(120.25,73.25)
TEMP_SDA: R19.1 TP15.1 U6.2 U7.41 | length 142.9
  Top Layer w0.3: v1(121.25,72.55) U7.41@121.25,75.025
  Top Layer w0.4: 14.975,46.05 15,46.025 TP15.1@15,45 15,49.65 14.975,49.675 ; R19.1@19.45,50 18.5,50 v1(17.5,51) 16.3,51 14.975,49.675 ; 14.975,49.675 U6.2@11.545,49.675 14.975,49.675
  Bottom Layer w0.3: v1(17.5,51) 99.5,51 101.235,52.735 101.235,67.735 104,70.5 120.75,70.5 121.25,71 v1(121.25,72.55)
UNFILT_AMPL_OUTA: R15A.2
UNFILT_AMPL_OUTB: R14B.1 R15B.2 TP11B.1 U5B.1 | length 56.5
  Top Layer w0.6: U5B.1@86.055,65.6 86.055,63.805 85.803,63.553 85.803,62.353 R14B.1@85.7,62.25 85.7,61.105 86.305,60.5 96.75,60.5 ; TP11B.1@97.25,55.75 97.25,60 96.875,60.375 96.75,60.5 ; R15B.2@107.65,87 99.75,87 98.5,85.75 98.5,62.25 96.75,60.5
UNFILT_AMPL_OUTC: R14C.1 R15C.2 TP11C.1 U5C.1 | length 101.3
  Top Layer w0.6: U5C.1@86.055,15.6 86.055,13.805 85.803,13.553 85.803,12.353 R14C.1@85.7,12.25 85.7,11.105 86.305,10.5 96.75,10.5 ; TP11C.1@97.25,5.75 97.25,10 96.875,10.375 96.75,10.5 ; R15C.2@107.65,83.25 102.349,83.25 100.5,81.401 100.5,41.5 98,39 98,11.75 96.75,10.5
UNFILT_AMPL_OUTD: R15D.2
USB_D_N: DZ1.1 J5.2 U7.45 | length 72.9
  Top Layer w0.3: 123.103,73.25 123.25,73.397 U7.45@123.25,75.025
  Top Layer w0.5: 123.103,73.25 123.103,71.649 124.002,70.75 137.381,70.75 142.831,76.2 181.3,76.2 184.3,73.2 DZ1.1@185,73.2 187.577,73.2 188.377,74 J5.2@188.395,74
USB_D_P: DZ2.1 J5.3 U7.46 | length 73.3
  Top Layer w0.3: U7.46@123.75,75.025 123.75,73.403 123.9,73.253 123.9,73.25
  Top Layer w0.5: 123.9,73.25 123.9,71.979 124.332,71.547 137.047,71.547 142.5,77 181.631,77 183.381,75.25 DZ2.1@185,75.25 189.145,75.25 J5.3@190.395,74
XTAL1: CK19.1 U7.5 X1.2 | length 7.4
  Top Layer w0.3: U7.5@122.75,86.475 122.75,87.376 124.35,88.976 X1.2@124.35,90.25
  Top Layer w0.8: X1.2@124.35,90.25 CK19.1@124.35,93.25
XTAL2: CK20.1 U7.6 X1.1 | length 7.4
  Top Layer w0.3: X1.1@120.65,90.25 120.65,88.976 122.25,87.376 U7.6@122.25,86.475
  Top Layer w0.8: X1.1@120.65,90.25 CK20.1@120.65,93.25
pads on no net: FM1. FM3. H1.# H2.# H3.# H4.# J2.# J3B. J3C. J4.# L2B.# L2C.# L3B.# L3C.# L4B.# L4C.# L5B.# L5C.# U1. U2. U3.4 U6.1 U6.7 U6.8 U7.2 U7.3 U7.4 U7.8 U7.9 U7.10 U7.11 U7.13 U7.14 U7.17 U7.19 U7.21 U7.22 U7.23 U7.24 U7.26 U7.30 U7.33 U7.34 U7.35 U7.36 U7.38 U7.39 U7.43 U7.44 U7.51 U7.55 U7.57 U7.61 U7.62

## Polygon pours and split planes (outlines as drawn)
GND on GND Layer "GND_MCU_GND" (solid, remove dead copper, pour order 0): 171.957,42.707 177.659,48.409 cw(c184.518,41.55) 184.518,51.25 197.5,51.25 ccw(c197.5,53.75) 200,53.75 200,97.5 ccw(c197.5,97.5) 197.5,100 100,100 100,0 133.25,0 ccw(c133.25,2.5) 135.75,2.5 135.75,35.75 cw(c141.25,35.75) 141.25,41.25 168.25,41.25 ccw(c168.345,46.453)
GND on GND Layer "GND_FILTER3_GND" (hatched 45Degree grid 3 track 1, remove dead copper, pour order 10): 0,50.5 100,50.5 100,0 0,0
GND on GND Layer "GND_FILTER2_GND" (hatched 45Degree grid 3 track 1, remove dead copper, pour order 7): 0,100 100,100 100,49.5 0,49.5
RECT- on Top Layer "RECT-_7905_TOP" (solid, remove dead copper, pour order 17): 182,64.25 cw(c181.625,62.875) 183,63.25 183,52 cw(c181.625,52.375) 182,51 162.5,51 cw(c162.875,52.375) 161.5,52 161.5,63.25 cw(c162.875,62.875) 162.5,64.25
GND on Top Layer "GND_7805_TOP" (solid, remove dead copper, pour order 13): 157.25,64.25 cw(c156.875,62.875) 158.25,63.25 158.25,52 cw(c156.875,52.375) 157.25,51 139.75,51 cw(c140.125,52.375) 138.75,52 138.75,63.25 cw(c140.125,62.875) 139.75,64.25
+3.3V on VCC Layer "+3.3V_MCU_VCC" (solid, remove dead copper, pour order 4): 200,77.5 200,84.274 200,97.5 ccw(c197.5,97.5) 197.5,100 102.5,100 ccw(c102.5,97.5) 100,97.5 100,65 ccw(c102.5,65) 102.5,62.5 128.75,62.5 ccw(c128.75,65) 131.25,65 131.25,72.5 cw(c133.75,72.5) 133.75,75 197.5,75 ccw(c197.5,77.5)
GND on VCC Layer "GND_BALANCE_VCC" (solid, remove dead copper, pour order 12): 103.75,37.5 133.25,37.5 cw(c133.25,35) 135.75,35 135.75,2.5 cw(c133.25,2.5) 133.25,0 102.5,0 cw(c102.5,2.5) 100,2.5 100,33.75 cw(c103.75,33.75)
RECT- on Bottom Layer "RECT-_7905_BOT" (solid, remove dead copper, pour order 18): 182,64.25 cw(c181.625,62.875) 183,63.25 183,52 cw(c181.625,52.375) 182,51 162.5,51 cw(c162.875,52.375) 161.5,52 161.5,63.25 cw(c162.875,62.875) 162.5,64.25
GND on Bottom Layer "GND_7805_BOT" (solid, remove dead copper, pour order 5): 157.25,64.25 cw(c156.875,62.875) 158.25,63.25 158.25,52 cw(c156.875,52.375) 157.25,51 139.75,51 cw(c140.125,52.375) 138.75,52 138.75,63.25 cw(c140.125,62.875) 139.75,64.25

## Other copper
Top Layer:
  text "TOP" at 109.4,95.5 h1.3
Bottom Layer:
  text "BOT" at 113.235,95.5 h1.3